# Altium PCB 主控板20160428.PcbDoc (part 1 of 4)
Units mm, origin at the board's own origin, x right, y up, seen from the top; angles counter-clockwise.
Board outline 105 x 80 mm, 4 copper layers (Top Layer, GND, VCC, Bottom Layer); 128 components, 190 nets, 667 pads, 283 vias.
Unrouted connection lines stored in the file: 2.
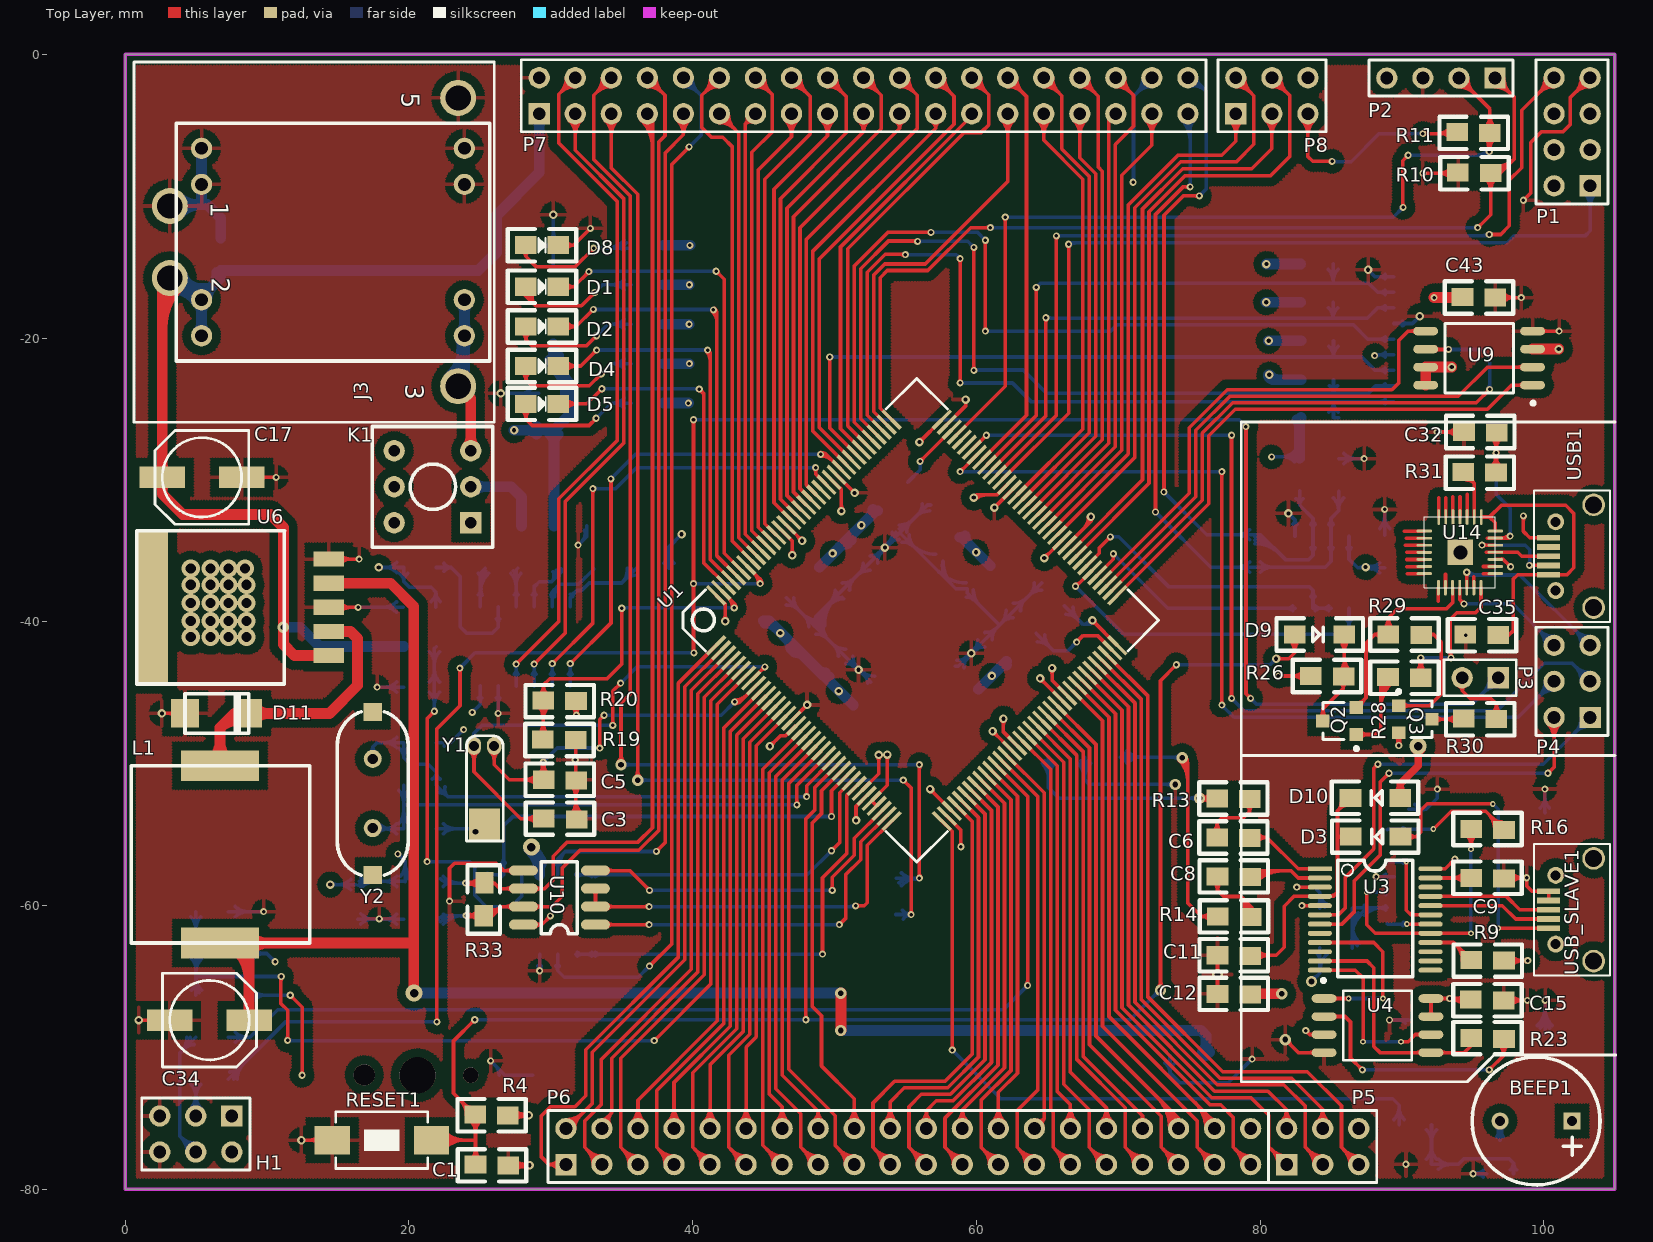
[diagram p0: Top Layer view]
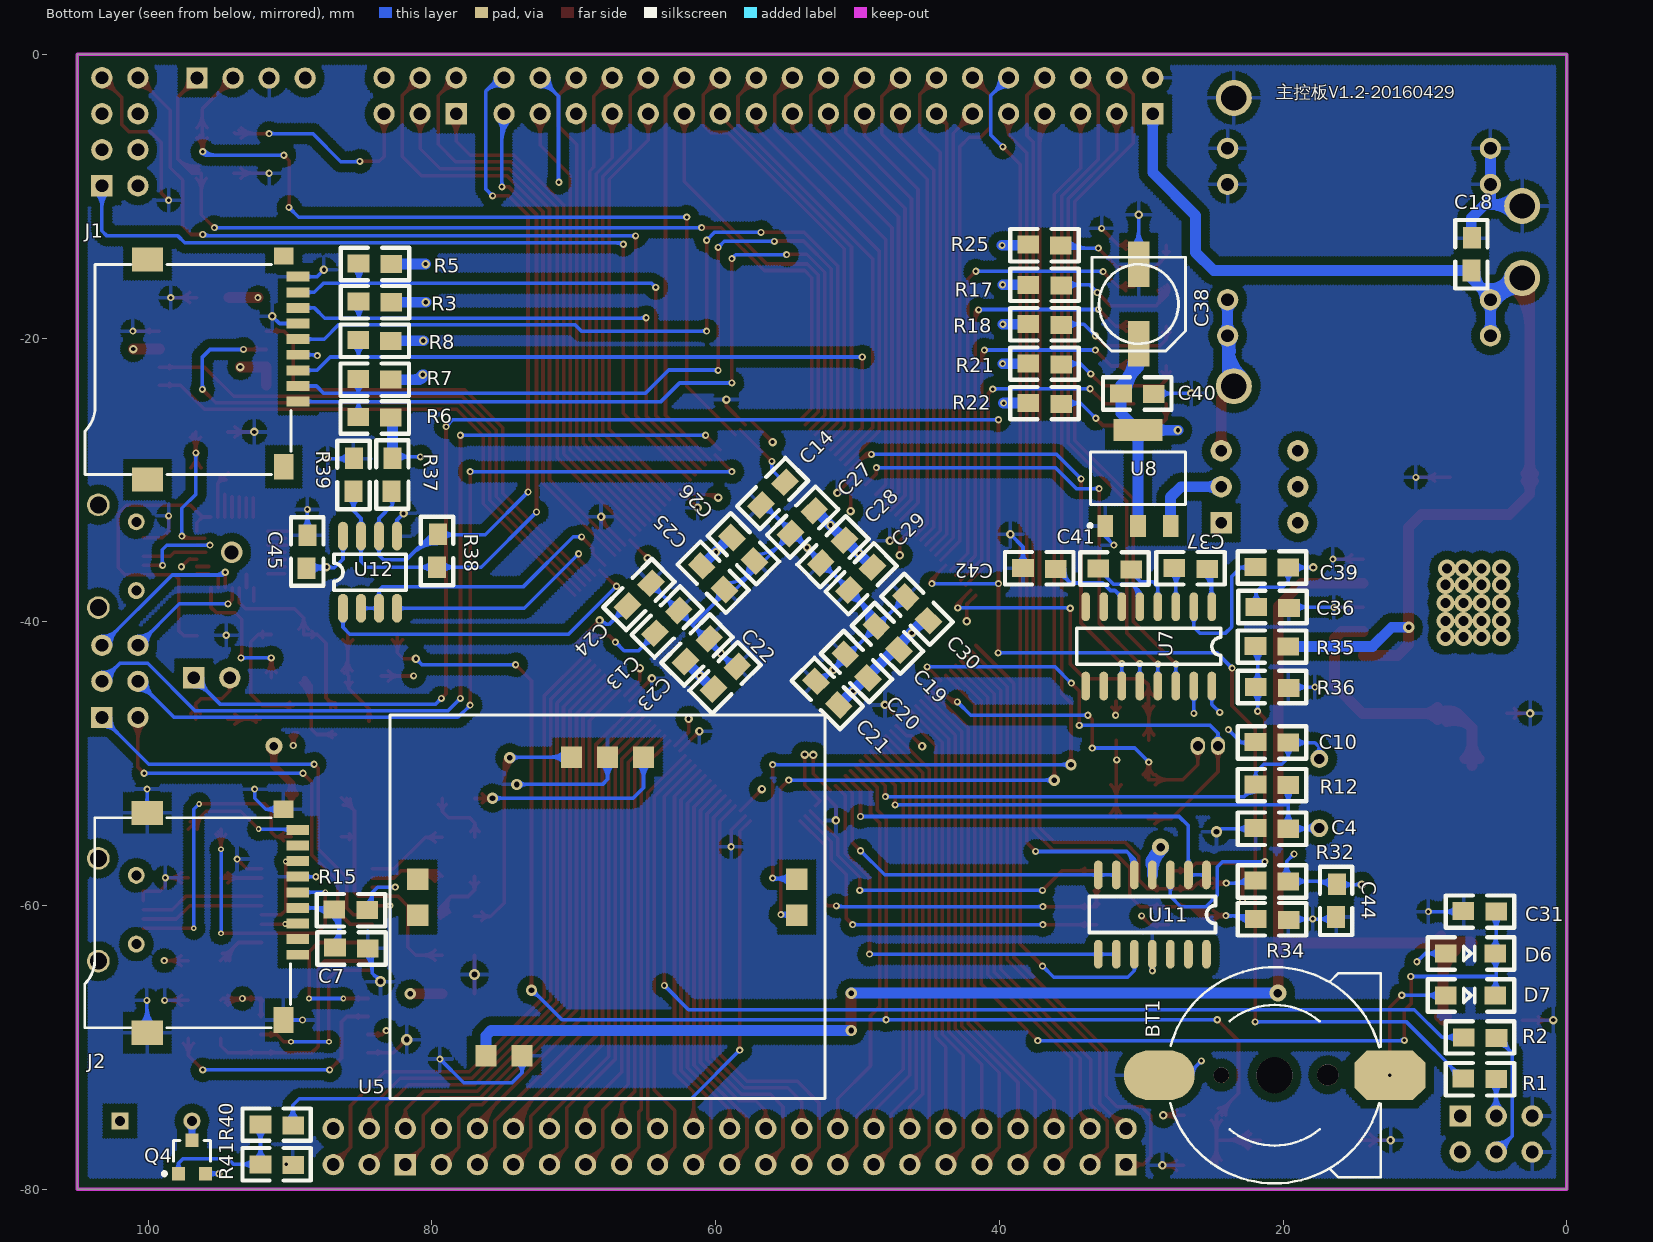
[diagram p1: Bottom Layer view, seen from below]
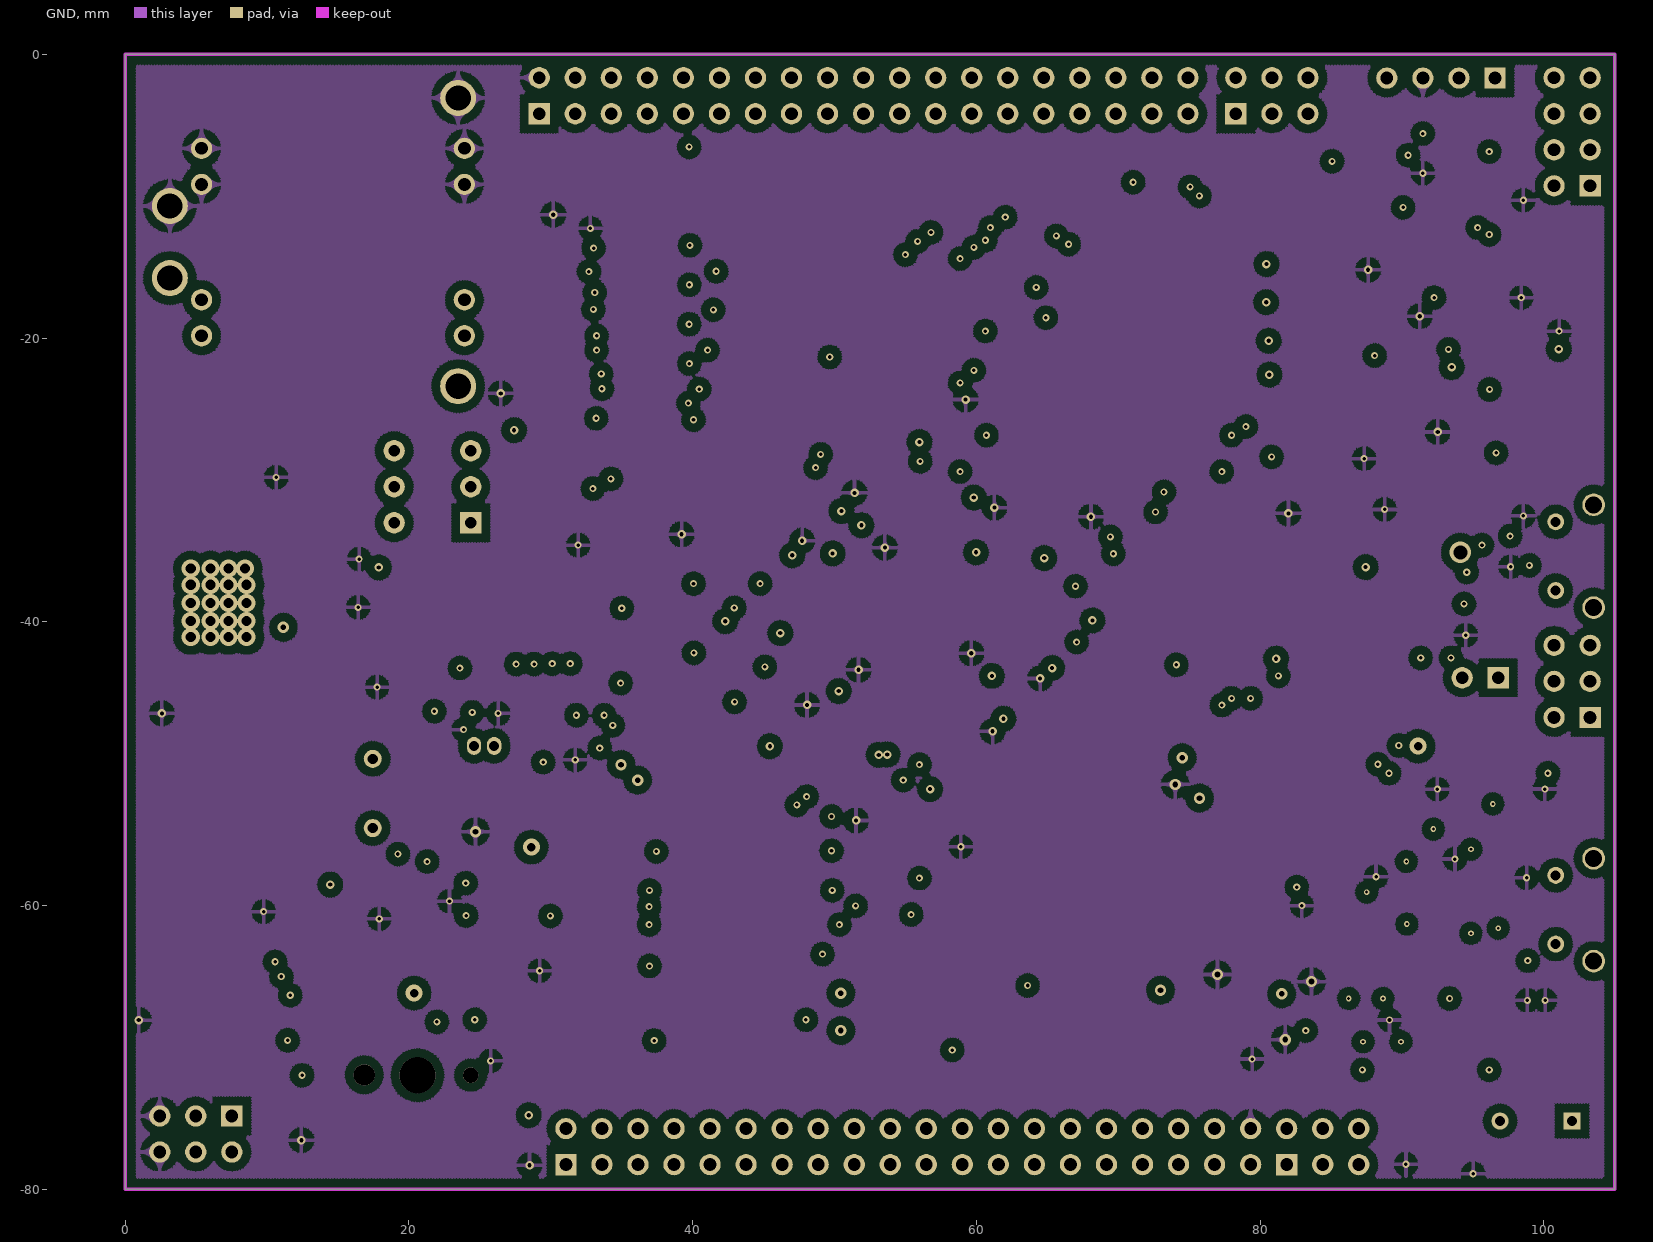
[diagram p2: GND]
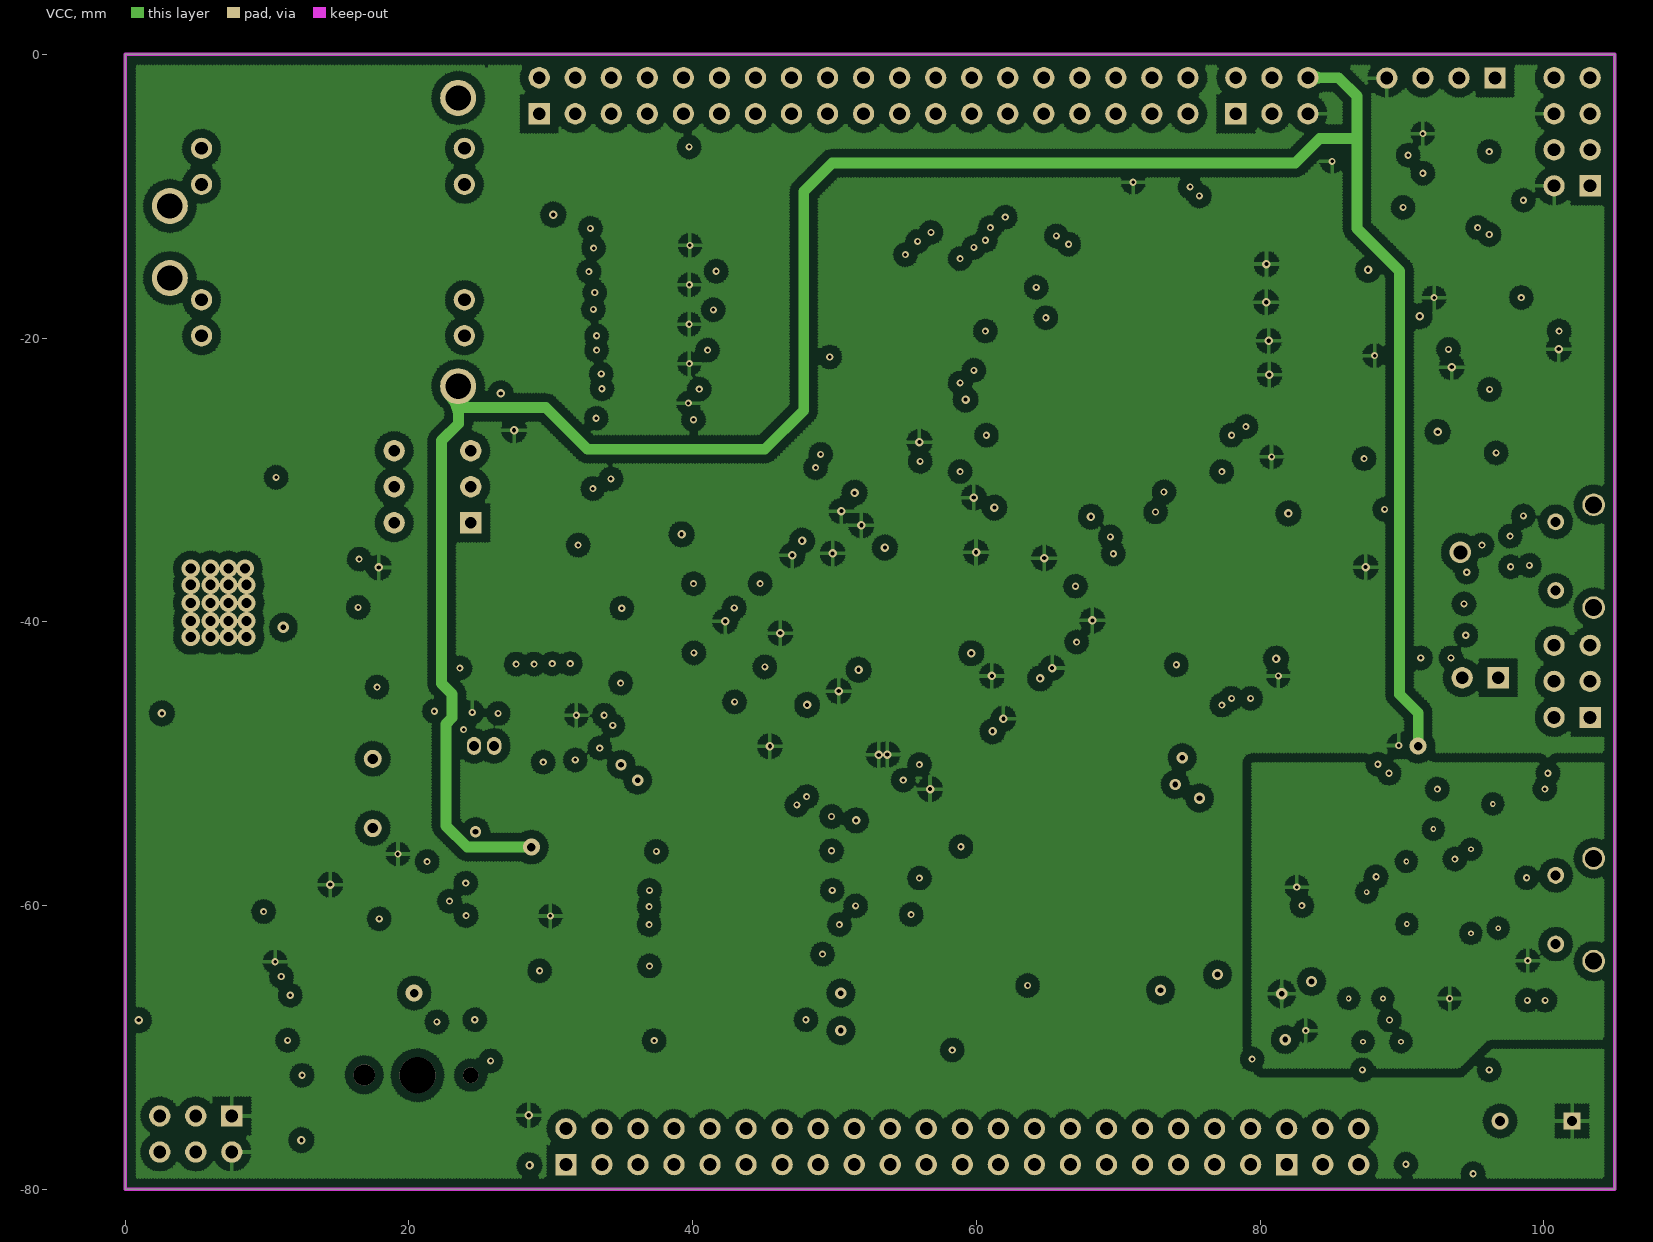
[diagram p3: VCC]
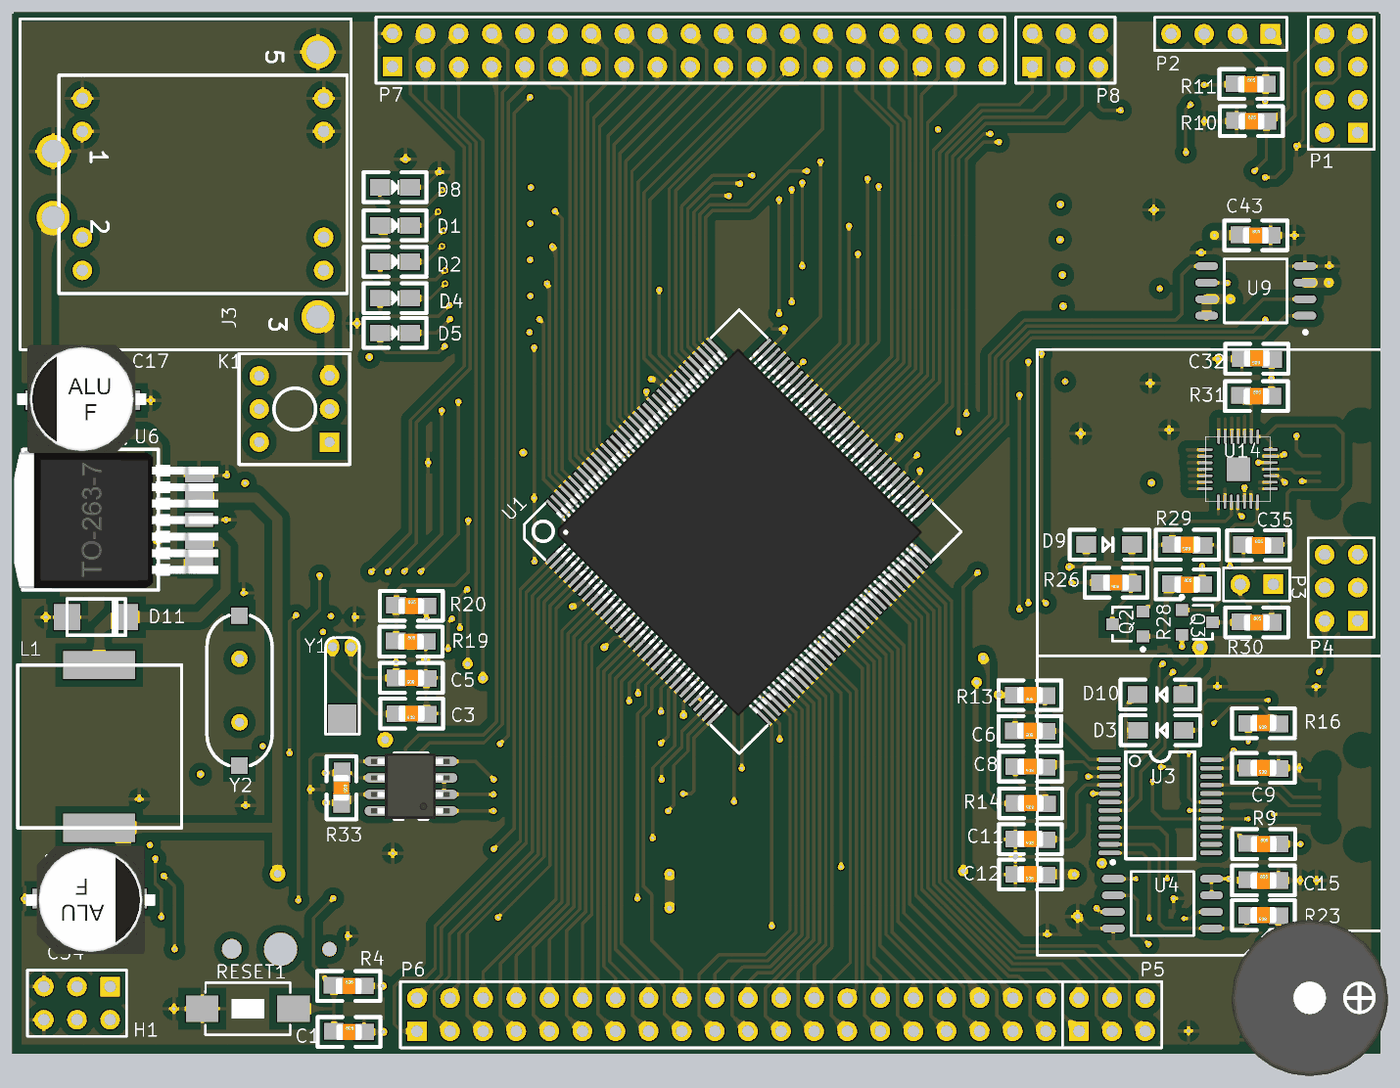
[diagram p7: 3D render of the assembled board from above, using the file's embedded part models]
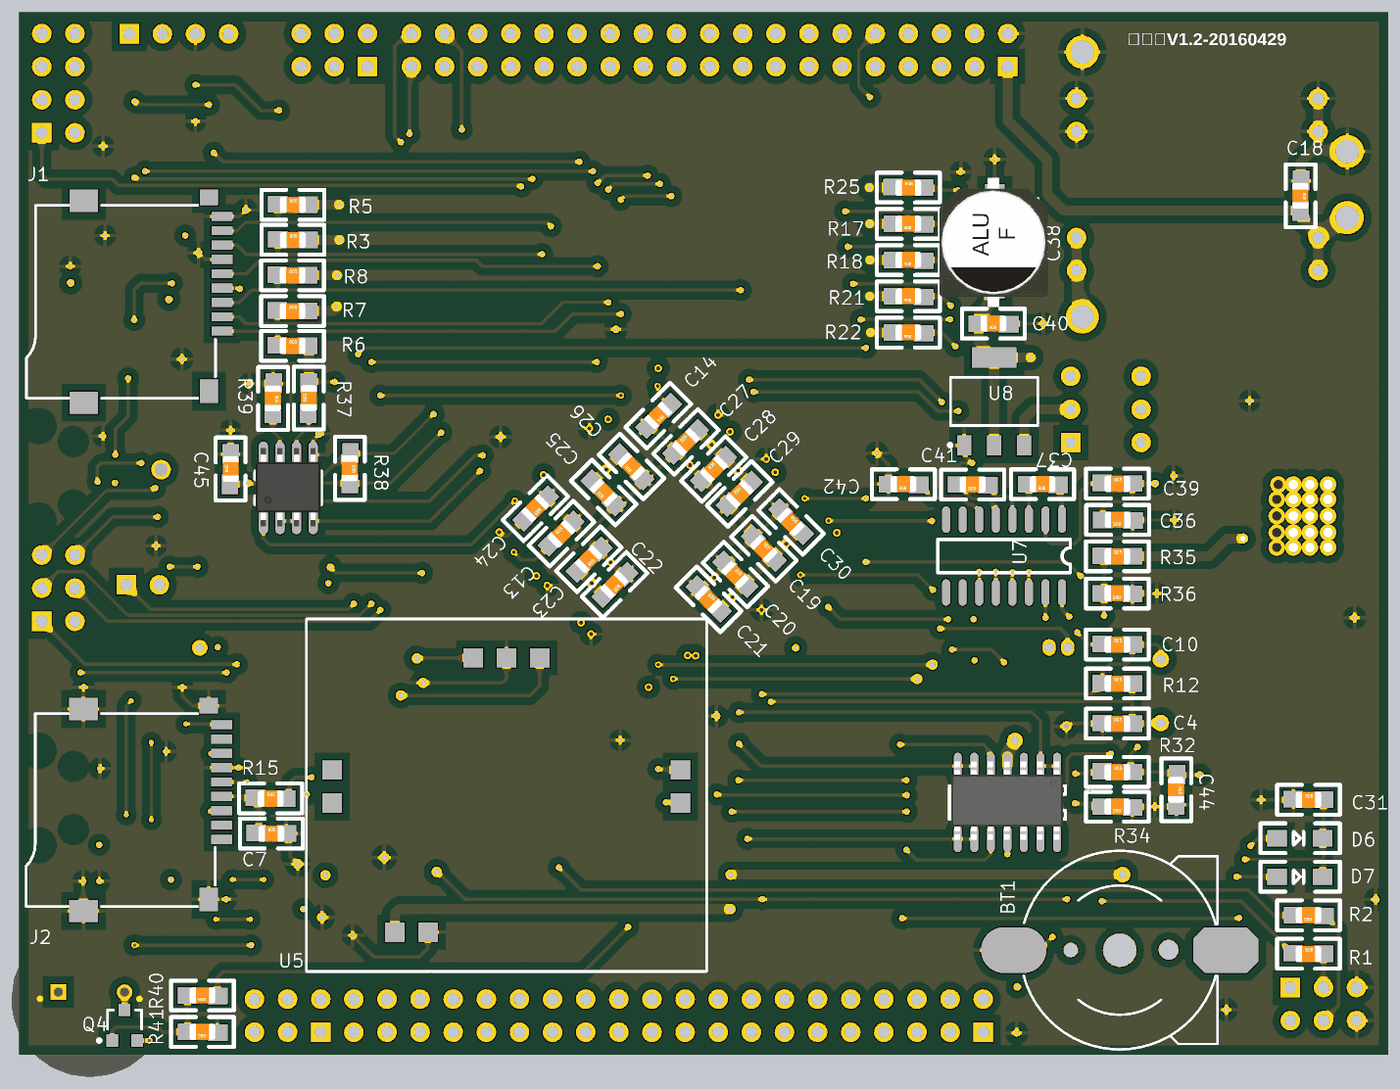
[diagram p8: 3D render of the assembled board from below, using the file's embedded part models]

## Layer stack, top to bottom
Top Solder: solder mask 0.0102, Solder Resist, Dk 3.5
Top Layer: signal copper 0.0356
Dielectric1: core 0.32, FR-4, Dk 4.8
GND: signal copper 0.0356
Dielectric2: prepreg 0.32, FR-4, Dk 4.8
VCC: signal copper 0.0356
Dielectric3: core 0.32, FR-4, Dk 4.8
Bottom Layer: signal copper 0.0356
Bottom Solder: solder mask 0.0102, Solder Resist, Dk 3.5

## Board outline
0,0 105,0 105,-80 0,-80 0,0

## Design rules (kind name [scope] priority, off if disabled: settings)
Clearance [All] p1: gap=0.4
HoleToHoleClearance [All] p1: gap=0.102 allowstackedmicrovias=TRUE
MinimumSolderMaskSliver [All] p1: minsoldermaskwidth=0.025
PolygonConnect [All] p1: connectstyle=Relief reliefconductorwidth=0.254 reliefentries=4 polygonreliefangle="90 Angle" airgapwidth=0.254
RoutingVias [All] p1: holewidth=0.711 width=1.27 viastyle="Through Hole" minholewidth=0.25 minwidth=0.5 maxholewidth=0.711 maxwidth=1.27
SilkToSilkClearance [All] p1: silktosilkclearance=-1
SilkToSolderMaskClearance SilkscreenOverComponentPads [IsPad] p1: minsilkscreentomaskgap=-1 clearancetoexposedcopper=TRUE
SolderMaskExpansion [All] p1: expansion=0.102
Width [All] p1: maxlimit=2.54 minlimit=0.152 preferedwidth=0.254
26 further rules are at their usual default settings.

## Components (designator, comment, footprint, x,y, rotation, side; value= is the part's Value field where it differs from the comment)
BEEP1 "BEEP" BELL-5 101.981,-75.184 r180 top
BT1 "Battery" CR1220 20.599,-71.958 r90 bottom
C1 "104" 0805 24.714,-78.308 r0 top
C3 "10pF" 0805 31.801,-53.873 r180 top
C4 "22pF" 0805 21.92,-54.585 r180 bottom
C5 "10pF" 0805 31.775,-51.13 r180 top
C6 "106" 0805 79.248,-55.194 r180 top
C7 "106" 0805 86.792,-63.017 r180 bottom
C8 "106" 0805 79.273,-57.937 r180 top
C9 "106" 0805 97.155,-58.039 r180 top
C10 "22pF" 0805 21.92,-48.514 r180 bottom
C11 "106" 0805 79.273,-63.5 r180 top
C12 "106" 0805 79.273,-66.218 r180 top
C13 "225" 0805 64.211,-40.818 r135 bottom
C14 "225" 0805 55.169,-30.15 r315 bottom
C15 "104" 0805 94.869,-66.675 r0 top
C17 "220uF" CC6.56.5 5.41,-29.82 r0 top
C18 "104" 0805 6.731,-12.954 r270 bottom
C19 "104" 0805 48.692,-40.361 r225 bottom
C20 "104" 0805 50.876,-42.342 r225 bottom
C21 "104" 0805 52.934,-44.247 r225 bottom
C22 "104" 0805 58.522,-43.129 r315 bottom
C23 "104" 0805 60.503,-41.173 r315 bottom
C24 "104" 0805 64.592,-37.262 r315 bottom
C25 "104" 0805 59.36,-37.668 r45 bottom
C26 "104" 0805 57.226,-35.662 r45 bottom
C27 "104" 0805 54.661,-33.782 r135 bottom
C28 "104" 0805 52.527,-35.865 r135 bottom
C29 "104" 0805 50.546,-37.77 r135 bottom
C30 "104" 0805 46.609,-38.303 r225 bottom
C31 "104" 0805 7.264,-60.427 r180 bottom
C32 "104" 0805 96.647,-26.619 r180 top
C34 "220uF" CC6.56.5 5.944,-68.072 r180 top
C35 "104" 0805 94.488,-40.945 r0 top
C36 "104" 0805 19.609,-38.964 r0 bottom
C37 "104" 0805 25.375,-36.22 r0 bottom
C38 "220uF" CC6.56.5 30.175,-17.602 r90 bottom
C39 "104" 0805 21.92,-36.17 r180 bottom
C40 "104" 0805 29.134,-23.901 r0 bottom
C41 "104" 0805 30.734,-36.246 r0 bottom
C42 "104" 0805 36.043,-36.22 r0 bottom
C43 "104" 0805 94.285,-17.145 r0 top
C44 "104" 0805 16.256,-58.522 r270 bottom
C45 "104" 0805 88.773,-36.195 r90 bottom
D1 "" LED 28.253,-16.39 r0 top
D2 "" LED 28.253,-19.184 r0 top
D3 "1N4007" DIDOE 89.891,-55.143 r180 top
D4 "" LED 28.253,-21.978 r0 top
D5 "" LED 28.253,-24.645 r0 top
D6 "1N4148" DIDOE 8.534,-63.379 r180 bottom
D7 "1N4148" DIDOE 8.534,-66.332 r180 bottom
D8 "" LED 28.245,-13.462 r0 top
D9 "1N4148" DIDOE 82.423,-40.894 r0 top
D10 "1N4007" DIDOE 89.865,-52.4 r180 top
D11 "SS34" SS34 4.216,-45.06 r0 top
H1 "Header 3X2" HDR2X3 7.518,-74.828 r180 top
J1 "SDCARD-M" SDCARD-M 100.432,-22.225 r0 bottom
J2 "SDCARD-M" SDCARD-M 100.457,-61.214 r0 bottom
J3 "WD5-24S5A1" WD5-24S3V3 3.15,-10.693 r0 top
K1 "BUTTON" BTN8.5*8.5 24.359,-33.02 r180 top
L1 "Inductor" L-330 0.432,-50.14 r0 top
P1 "WIFI" HDR2X4_CEN 103.251,-9.271 r90 top
P2 "Header 4H" HDR1X4 96.545,-1.676 r180 top
P3 "Header 2" HDR1X2 96.774,-43.942 r180 top
P4 "Header 3X2H" HDR2X3 103.251,-46.736 r90 top
P5 "Header 3X2H" HDR2X3 81.864,-78.257 r0 top
P6 "MHDR2X20" DIP-2X20 31.064,-78.257 r0 top
P7 "MHDR2X19" DIP-2X19 29.185,-4.191 r0 top
P8 "Header 3X2H" HDR2X3 78.283,-4.191 r0 top
Q2 "S8050" SOT-23R 85.725,-46.99 r90 top
Q3 "S8550" SOT-23R 90.805,-46.863 r270 top
Q4 "S8050" SOT-23R 96.901,-77.851 r180 bottom
R1 "10K" 0805 7.264,-72.238 r180 bottom
R2 "10K" 0805 4.978,-69.285 r0 bottom
R3 "10K" 0805 85.141,-17.475 r180 bottom
R4 "10K" 0805 24.689,-74.778 r0 top
R5 "10K" 0805 85.141,-14.783 r180 bottom
R6 "10K" 0805 85.166,-25.603 r180 bottom
R7 "10K" 0805 85.166,-22.936 r180 bottom
R8 "10K" 0805 85.166,-20.193 r180 bottom
R9 "24K" 0805 94.894,-63.881 r0 top
R10 "10K" 0805 93.955,-8.382 r0 top
R11 "10K" 0805 93.904,-5.537 r0 top
R12 "1M" 0805 21.92,-51.511 r180 bottom
R13 "100R" 0805 79.248,-52.451 r180 top
R14 "100R" 0805 79.299,-60.757 r180 top
R15 "4R7" 0805 86.843,-60.325 r180 bottom
R16 "332" 0805 97.155,-54.61 r180 top
R17 "1k" 0805 35.662,-16.243 r0 bottom
R18 "1k" 0805 35.662,-19.025 r0 bottom
R19 "0R" 0805 29.464,-48.336 r0 top
R20 "0R" 0805 29.489,-45.593 r0 top
R21 "1k" 0805 35.662,-21.806 r0 bottom